# Altium PCB roach2.PcbDoc (part 13 of 39)
Units mil, origin at the board's own origin, x right, y up, seen from the top; angles counter-clockwise.
Board outline 12007.87 x 9606.3 mil, 16 copper layers (L1_TOP, L2_G, L3_S, L4_G, L5_S, L6_P, L7_G, L8_R, L9_R, L10_P, L11_P, L12_S, L13_P, L14_S, L15_G, L16_BOT), stack 81.651 mil thick; 1608 components, 1934 nets, 9335 pads, 6759 vias.
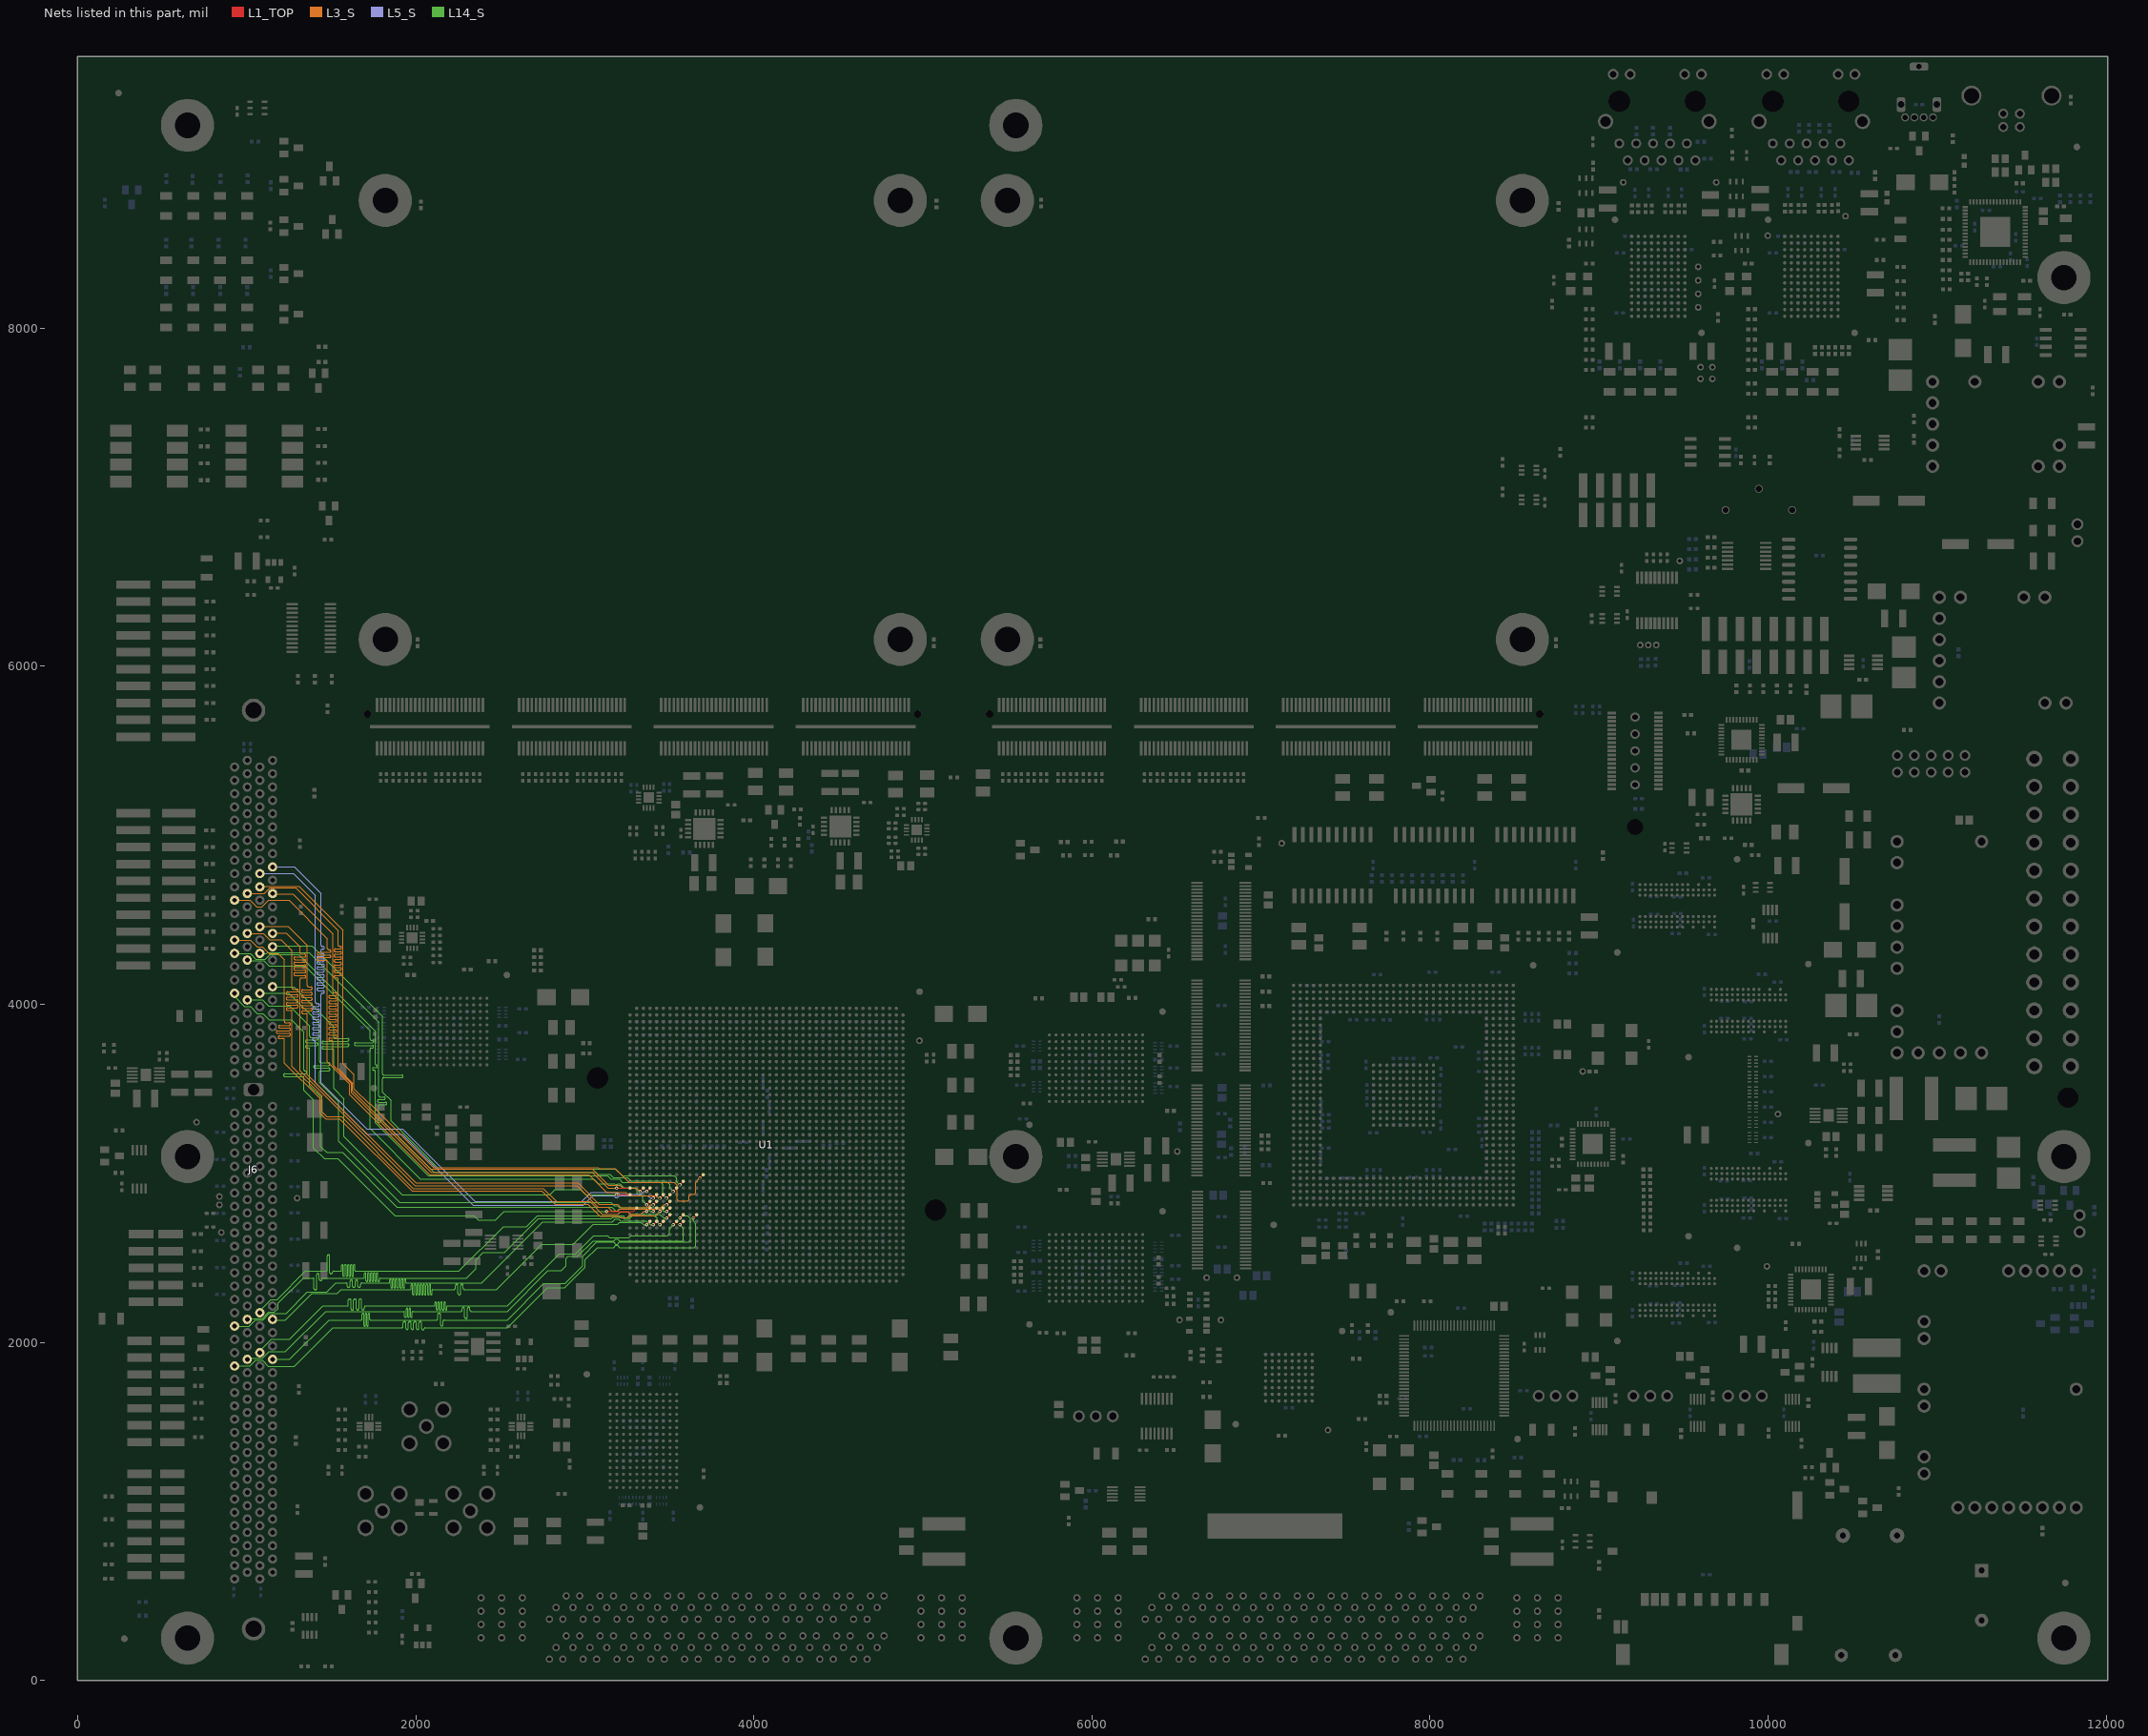
[diagram p27: the nets of this part, all layers, seen from the top]

## Via types
v1: diameter 19.4, hole 10, L1_TOP to L16_BOT, tented both sides, 3354 vias
v2: diameter 19.4, hole 10, L1_TOP to L16_BOT, 1884 vias
v3: diameter 19.4, hole 10, L1_TOP to L16_BOT, tented top, 410 vias
v4: diameter 18.6, hole 10, L1_TOP to L16_BOT, tented both sides, 311 vias
v5: diameter 59.06, hole 39.37, L1_TOP to L16_BOT, 217 vias
v6: diameter 19, hole 10, L1_TOP to L16_BOT, 198 vias
v7: diameter 19.4, hole 10.04, L1_TOP to L16_BOT, 125 vias
v8: diameter 19.4, hole 10, L1_TOP to L16_BOT, tented bottom, 80 vias
v9: diameter 25.98, hole 12.99, L1_TOP to L16_BOT, tented top, 59 vias
v10: diameter 20, hole 10, L1_TOP to L16_BOT, 52 vias
v11: diameter 59.06, hole 39.37, L1_TOP to L16_BOT, tented top, 44 vias
v12: diameter 20, hole 10, L1_TOP to L16_BOT, tented top, 16 vias
v13: diameter 19, hole 10, L1_TOP to L16_BOT, tented top, 5 vias
v14: diameter 50, hole 28, L1_TOP to L16_BOT, 4 vias

## Nets (pads, with @x,y where several pads share a name; then routed paths per layer and width w, separated by ;. In a path a pad name is that pad's centre, name@x,y a point inside that pad or via, vN(x,y) a via of type N, cw(c..) or ccw(c..) an arc to the next point about the centre after c; other vN are vias at no path point) (continued)
DDR3.DQ14: J6.137 U1.AW28 | length 4328
  L1_TOP w5: v1(3365.24,2892.16) U1.AW28@3384.93,2911.85
  L5_S w3.8: J6.137@1152.6,4813.07 1152.68,4812.99 1282.99,4812.99 1438.99,4656.99 1438.99,4350 ccw(c1446.8,4350) 1446.8,4342.19 1451.28,4342.19 cw(c1451.28,4334.39) 1459.09,4334.39 cw(c1451.28,4334.39) 1451.28,4326.58 1446.8,4326.58 ccw(c1446.8,4318.78) 1438.99,4318.78 1438.99,4310.97 1438.99,4308 ccw(c1446.8,4308) 1446.8,4300.19 1451.28,4300.19 cw(c1451.28,4292.39) 1459.09,4292.39 cw(c1451.28,4292.39) 1451.28,4284.58 1438.99,4284.58 1422.9,4284.58 ccw(c1422.9,4276.78) 1415.1,4276.78 ccw(c1422.9,4276.78) 1422.9,4268.97 1438.99,4268.97 1451.28,4268.97 cw(c1451.28,4261.17) 1459.09,4261.17 cw(c1451.28,4261.17) 1451.28,4253.36 1438.99,4253.36 1422.9,4253.36 ccw(c1422.9,4245.56) 1415.1,4245.56 ccw(c1422.9,4245.56) 1422.9,4237.75 1438.99,4237.75 1451.28,4237.75 cw(c1451.28,4229.94) 1459.09,4229.94 cw(c1451.28,4229.94) 1451.28,4222.14 1438.99,4222.14 1422.9,4222.14 ccw(c1422.9,4214.33) 1415.1,4214.33 ccw(c1422.9,4214.33) 1422.9,4206.53 1438.99,4206.53 1451.28,4206.53 cw(c1451.28,4198.72) 1459.09,4198.72 cw(c1451.28,4198.72) 1451.28,4190.92 1438.99,4190.92 1422.9,4190.92 ccw(c1422.9,4183.11) 1415.1,4183.11 ccw(c1422.9,4183.11) 1422.9,4175.31 1438.99,4175.31 1451.28,4175.31 cw(c1451.28,4167.5) 1459.09,4167.5 cw(c1451.28,4167.5) 1451.28,4159.7 1438.99,4159.7 1422.9,4159.7 ccw(c1422.9,4151.89) 1415.1,4151.89 ccw(c1422.9,4151.89) 1422.9,4144.08 1438.99,4144.08 1451.28,4144.08 cw(c1451.28,4136.28) 1459.09,4136.28 cw(c1451.28,4136.28) 1451.28,4128.47 1438.99,4128.47 1422.9,4128.47 ccw(c1422.9,4120.67) 1415.1,4120.67 ccw(c1422.9,4120.67) 1422.9,4112.86 1438.99,4112.86 1451.28,4112.86 cw(c1451.28,4105.06) 1459.09,4105.06 cw(c1451.28,4105.06) 1451.28,4097.25 1438.99,4097.25 1422.9,4097.25 ccw(c1422.9,4089.45) 1415.1,4089.45 ccw(c1422.9,4089.45) 1422.9,4081.64 1438.99,4081.64 1451.28,4081.64 cw(c1451.28,4073.83) 1459.09,4073.83 cw(c1451.28,4073.83) 1451.28,4066.03 1446.8,4066.03 ccw(c1446.8,4058.22) 1438.99,4058.22 1438.99,3758 1438.99,3534.99 1710.99,3262.99 1920.99,3262.99 2351.42,2832.56 2982.56,2832.56 3038.08,2888.08 3194.54,2888.08 3206.06,2876.56 3332.33,2876.56 3347.93,2892.16 v1(3365.24,2892.16)
DDR3.DQ15: J6.138 U1.AV29 | length 4328
  L1_TOP w5: v1(3404.61,2852.79) U1.AV29@3424.3,2872.48
  L5_S w3.8: J6.138@1077.8,4773.7 1276.28,4773.7 1406.99,4642.99 1406.99,4012 ccw(c1414.8,4012) 1414.8,4004.19 1422.62,4004.19 cw(c1422.62,3996.39) 1430.42,3996.39 cw(c1422.62,3996.39) 1422.62,3988.58 1406.99,3988.58 1397.37,3988.58 ccw(c1397.37,3980.78) 1389.56,3980.78 ccw(c1397.37,3980.78) 1397.37,3972.97 1406.99,3972.97 1422.62,3972.97 cw(c1422.62,3965.17) 1430.42,3965.17 cw(c1422.62,3965.17) 1422.62,3957.36 1406.99,3957.36 1397.37,3957.36 ccw(c1397.37,3949.56) 1389.56,3949.56 ccw(c1397.37,3949.56) 1397.37,3941.75 1406.99,3941.75 1422.62,3941.75 cw(c1422.62,3933.95) 1430.42,3933.95 cw(c1422.62,3933.95) 1422.62,3926.14 1406.99,3926.14 1397.37,3926.14 ccw(c1397.37,3918.33) 1389.56,3918.33 ccw(c1397.37,3918.33) 1397.37,3910.53 1406.99,3910.53 1422.62,3910.53 cw(c1422.62,3902.72) 1430.42,3902.72 cw(c1422.62,3902.72) 1422.62,3894.92 1406.99,3894.92 1397.37,3894.92 ccw(c1397.37,3887.11) 1389.56,3887.11 ccw(c1397.37,3887.11) 1397.37,3879.31 1406.99,3879.31 1422.62,3879.31 cw(c1422.62,3871.5) 1430.42,3871.5 cw(c1422.62,3871.5) 1422.62,3863.7 1406.99,3863.7 1397.37,3863.7 ccw(c1397.37,3855.89) 1389.56,3855.89 ccw(c1397.37,3855.89) 1397.37,3848.08 1406.99,3848.08 1422.62,3848.08 cw(c1422.62,3840.28) 1430.42,3840.28 cw(c1422.62,3840.28) 1422.62,3832.47 1406.99,3832.47 1397.37,3832.47 ccw(c1397.37,3824.67) 1389.56,3824.67 ccw(c1397.37,3824.67) 1397.37,3816.86 1406.99,3816.86 1422.62,3816.86 cw(c1422.62,3809.06) 1430.42,3809.06 cw(c1422.62,3809.06) 1422.62,3801.25 1406.99,3801.25 1397.37,3801.25 ccw(c1397.37,3793.45) 1389.56,3793.45 ccw(c1397.37,3793.45) 1397.37,3785.64 1399.19,3785.64 cw(c1399.19,3777.83) 1406.99,3777.83 1406.99,3620 1406.99,3534.99 1710.99,3230.99 1918.99,3230.99 2338.99,2810.99 2990.99,2810.99 3048.39,2868.39 3170.1,2868.39 3181.62,2856.88 3194.54,2856.88 3206.05,2868.39 3371.7,2868.39 3387.3,2852.79 v1(3404.61,2852.79)
DDR3.DQ16: J6.21 U1.AY28 | length 4060
  L1_TOP w5: v1(3325.87,2892.16) U1.AY28@3345.56,2911.85
  L3_S w3.8: J6.21@1002.99,4655.59 1105.28,4655.59 1138.74,4689.05 1288.93,4689.05 1540.99,4436.99 1540.99,4351 ccw(c1548.8,4351) 1548.8,4343.19 1553.15,4343.19 cw(c1553.15,4335.39) 1560.95,4335.39 cw(c1553.15,4335.39) 1553.15,4327.58 1540.99,4327.58 1524.84,4327.58 ccw(c1524.84,4319.78) 1517.03,4319.78 ccw(c1524.84,4319.78) 1524.84,4311.97 1540.99,4311.97 1553.15,4311.97 cw(c1553.15,4304.17) 1560.95,4304.17 cw(c1553.15,4304.17) 1553.15,4296.36 1540.99,4296.36 1524.84,4296.36 ccw(c1524.84,4288.56) 1517.03,4288.56 ccw(c1524.84,4288.56) 1524.84,4280.75 1540.99,4280.75 1553.15,4280.75 cw(c1553.15,4272.94) 1560.95,4272.94 cw(c1553.15,4272.94) 1553.15,4265.14 1540.99,4265.14 1524.84,4265.14 ccw(c1524.84,4257.33) 1517.03,4257.33 ccw(c1524.84,4257.33) 1524.84,4249.53 1540.99,4249.53 1553.15,4249.53 cw(c1553.15,4241.72) 1560.95,4241.72 cw(c1553.15,4241.72) 1553.15,4233.92 1540.99,4233.92 1524.84,4233.92 ccw(c1524.84,4226.11) 1517.03,4226.11 ccw(c1524.84,4226.11) 1524.84,4218.31 1540.99,4218.31 1553.15,4218.31 cw(c1553.15,4210.5) 1560.95,4210.5 cw(c1553.15,4210.5) 1553.15,4202.7 1540.99,4202.7 1524.84,4202.7 ccw(c1524.84,4194.89) 1517.03,4194.89 ccw(c1524.84,4194.89) 1524.84,4187.08 1540.99,4187.08 1553.15,4187.08 cw(c1553.15,4179.28) 1560.95,4179.28 cw(c1553.15,4179.28) 1553.15,4171.47 1540.99,4171.47 1524.83,4171.47 ccw(c1524.83,4163.67) 1517.03,4163.67 ccw(c1524.83,4163.67) 1524.83,4155.86 1533.19,4155.86 cw(c1533.19,4148.06) 1540.99,4148.06 1540.99,4074 1540.99,4068 ; 1540.99,4062.99 1540.99,4068 ; v1(3325.87,2892.16) 3305.04,2912.99 3224.99,2912.99 3206.99,2930.99 3138.99,2930.99 3044.99,3024.99 2088.99,3024.99 1626.79,3487.19 1626.79,3534.22 1540.99,3620.02 1540.99,4068
DDR3.DQ17: J6.22 U1.AU29 | length 4060
  L1_TOP w5: v1(3443.98,2852.79) U1.AU29@3463.67,2872.48
  L3_S w3.8: J6.22@928.19,4616.22 928.96,4616.99 1018.99,4616.99 1058.99,4576.99 1090.99,4576.99 1128.99,4614.99 1250.99,4614.99 1476.99,4388.99 1476.99,4331 ccw(c1484.8,4331) 1484.8,4323.19 1489.75,4323.19 cw(c1489.75,4315.39) 1497.56,4315.39 cw(c1489.75,4315.39) 1489.75,4307.58 1476.99,4307.58 1424.23,4307.58 ccw(c1424.23,4299.78) 1416.42,4299.78 ccw(c1424.23,4299.78) 1424.23,4291.97 1476.99,4291.97 1489.75,4291.97 cw(c1489.75,4284.17) 1497.56,4284.17 cw(c1489.75,4284.17) 1489.75,4276.36 1476.99,4276.36 1424.23,4276.36 ccw(c1424.23,4268.56) 1416.42,4268.56 ccw(c1424.23,4268.56) 1424.23,4260.75 1469.19,4260.75 cw(c1469.19,4252.94) 1476.99,4252.94 1476.99,4036.58 1476.99,3660.99 1608.99,3528.99 1608.99,3466.99 2082.99,2992.99 3024.99,2992.99 3129.9,2888.08 3240.93,2888.08 3260.62,2868.39 3420.21,2868.39 3435.81,2852.79 v1(3443.98,2852.79)
DDR3.DQ18: J6.27 U1.AW31 | length 4060
  L1_TOP w5: v1(3365.24,2774.05) U1.AW31@3384.93,2793.74
  L3_S w3.8: J6.27@1002.99,4419.37 1098.61,4419.37 1134.99,4382.99 1202.99,4382.99 1268.99,4316.99 1268.99,4097 ccw(c1276.8,4097) 1276.8,4089.19 1296.69,4089.19 cw(c1296.69,4081.39) 1304.49,4081.39 cw(c1296.69,4081.39) 1296.69,4073.58 1268.99,4073.58 1241.3,4073.58 ccw(c1241.3,4065.78) 1233.49,4065.78 ccw(c1241.3,4065.78) 1241.3,4057.97 1268.99,4057.97 1296.69,4057.97 cw(c1296.69,4050.17) 1304.49,4050.17 cw(c1296.69,4050.17) 1296.69,4042.36 1268.99,4042.36 1241.3,4042.36 ccw(c1241.3,4034.56) 1233.49,4034.56 ccw(c1241.3,4034.56) 1241.3,4026.75 1268.99,4026.75 1296.69,4026.75 cw(c1296.69,4018.95) 1304.49,4018.95 cw(c1296.69,4018.95) 1296.69,4011.14 1268.99,4011.14 1241.3,4011.14 ccw(c1241.3,4003.33) 1233.49,4003.33 ccw(c1241.3,4003.33) 1241.3,3995.53 1268.99,3995.53 1296.69,3995.53 cw(c1296.69,3987.72) 1304.49,3987.72 cw(c1296.69,3987.72) 1296.69,3979.92 1268.99,3979.92 1241.3,3979.92 ccw(c1241.3,3972.11) 1233.49,3972.11 ccw(c1241.3,3972.11) 1241.3,3964.31 1261.19,3964.31 cw(c1261.19,3956.5) 1268.99,3956.5 1268.99,3632.99 1444.99,3456.99 1444.99,3362.99 1472.99,3334.99 1560.99,3334.99 1984.99,2910.99 2754.99,2910.99 2833.42,2832.56 3029.42,2832.56 3103.53,2758.45 3196.45,2758.45 3210.99,2772.99 3254.99,2772.99 3269.53,2758.45 3332.33,2758.45 3347.93,2774.05 v1(3365.24,2774.05)
DDR3.DQ19: J6.28 U1.AU31 | length 4060
  L1_TOP w5: v1(3443.98,2774.05) U1.AU31@3463.67,2793.74
  L3_S w3.8: J6.28@928.19,4380 929.2,4378.99 1022.99,4378.99 1062.99,4338.99 1092.99,4338.99 1130.99,4300.99 1186.99,4300.99 1222.99,4264.99 1222.99,3899 ccw(c1230.8,3899) 1230.8,3891.19 1251.06,3891.19 cw(c1251.06,3883.39) 1258.86,3883.39 cw(c1251.06,3883.39) 1251.06,3875.58 1222.99,3875.58 1196.19,3875.58 ccw(c1196.19,3867.78) 1188.38,3867.78 ccw(c1196.19,3867.78) 1196.19,3859.97 1222.99,3859.97 1251.06,3859.97 cw(c1251.06,3852.17) 1258.86,3852.17 cw(c1251.06,3852.17) 1251.06,3844.36 1222.99,3844.36 1181.42,3844.36 ccw(c1181.42,3836.56) 1173.62,3836.56 ccw(c1181.42,3836.56) 1181.42,3828.75 1222.99,3828.75 1251.06,3828.75 cw(c1251.06,3820.95) 1258.86,3820.95 cw(c1251.06,3820.95) 1251.06,3813.14 1222.99,3813.14 1193.01,3813.14 ccw(c1193.01,3805.33) 1185.2,3805.33 ccw(c1193.01,3805.33) 1193.01,3797.53 1215.19,3797.53 cw(c1215.19,3789.72) 1222.99,3789.72 1222.99,3652.99 1432.99,3442.99 1432.99,3354.99 1466.99,3320.99 1550.99,3320.99 1976.99,2894.99 2744.99,2894.99 2822.99,2816.99 3018.99,2816.99 3088.99,2746.99 3198.99,2746.99 3207.21,2738.77 3249.6,2738.77 3261.11,2750.28 3420.21,2750.28 v1(3443.98,2774.05)
DDR3.DQ20: J6.140 U1.AL26 | length 4067.9
  L1_TOP w5: v1(3680.2,2970.9) U1.AL26@3699.89,2990.59
  L3_S w3.8: J6.140@1077.8,4694.96 1081.83,4698.99 1308.99,4698.99 1568.99,4438.99 1568.99,3648.99 1634.59,3583.39 1634.59,3499.7 1723.3,3410.99 1728.99,3410.99 2104.99,3034.99 3076.99,3034.99 3082.99,3028.99 3178.99,3028.99 3260.85,2947.13 3529.18,2947.13 3538.32,2938 3538.32,2937.66 3546.49,2929.49 3546.49,2846.33 3555.63,2837.19 3607.93,2837.19 3617.06,2846.33 3617.06,2868.06 3625.56,2876.56 3647.3,2876.56 3656.43,2885.7 3656.43,2947.13 v1(3680.2,2970.9)
DDR3.DQ21: J6.141 U1.BB28 | length 4060
  L1_TOP w5: v2(3188.08,2911.85) U1.BB28@3266.82,2911.85
  L3_S w3.8: J6.141@1152.6,4655.59 1155.2,4652.99 1272.99,4652.99 1508.99,4416.99 1508.99,4281.19 1508.99,4075.61 ccw(c1516.8,4075.61) 1516.8,4067.8 1525.2,4067.8 cw(c1525.2,4060) 1533.01,4060 cw(c1525.2,4060) 1525.2,4052.19 1508.99,4052.19 1492.78,4052.19 ccw(c1492.78,4044.39) 1484.98,4044.39 ccw(c1492.78,4044.39) 1492.78,4036.58 1508.99,4036.58 1525.2,4036.58 cw(c1525.2,4028.78) 1533.01,4028.78 cw(c1525.2,4028.78) 1525.2,4020.97 1508.99,4020.97 1492.78,4020.97 ccw(c1492.78,4013.16) 1484.98,4013.16 ccw(c1492.78,4013.16) 1492.78,4005.36 1508.99,4005.36 1525.2,4005.36 cw(c1525.2,3997.55) 1533.01,3997.55 cw(c1525.2,3997.55) 1525.2,3989.75 1508.99,3989.75 1492.78,3989.75 ccw(c1492.78,3981.94) 1484.98,3981.94 ccw(c1492.78,3981.94) 1492.78,3974.14 1508.99,3974.14 1525.2,3974.14 cw(c1525.2,3966.33) 1533.01,3966.33 cw(c1525.2,3966.33) 1525.2,3958.53 1508.99,3958.53 1492.78,3958.53 ccw(c1492.78,3950.72) 1484.98,3950.72 ccw(c1492.78,3950.72) 1492.78,3942.92 1508.99,3942.92 1525.2,3942.92 cw(c1525.2,3935.11) 1533.01,3935.11 cw(c1525.2,3935.11) 1525.2,3927.3 1508.99,3927.3 1492.78,3927.3 ccw(c1492.78,3919.5) 1484.98,3919.5 ccw(c1492.78,3919.5) 1492.78,3911.69 1508.99,3911.69 1525.2,3911.69 cw(c1525.2,3903.89) 1533.01,3903.89 cw(c1525.2,3903.89) 1525.2,3896.08 1508.99,3896.08 1492.78,3896.08 ccw(c1492.78,3888.28) 1484.98,3888.28 ccw(c1492.78,3888.28) 1492.78,3880.47 1508.99,3880.47 1525.2,3880.47 cw(c1525.2,3872.67) 1533.01,3872.67 cw(c1525.2,3872.67) 1525.2,3864.86 1508.99,3864.86 1492.78,3864.86 ccw(c1492.78,3857.05) 1484.98,3857.05 ccw(c1492.78,3857.05) 1492.78,3849.25 1508.99,3849.25 1525.2,3849.25 cw(c1525.2,3841.44) 1533.01,3841.44 cw(c1525.2,3841.44) 1525.2,3833.64 1508.99,3833.64 1492.78,3833.64 ccw(c1492.78,3825.83) 1484.98,3825.83 ccw(c1492.78,3825.83) 1492.78,3818.03 1508.99,3818.03 1525.2,3818.03 cw(c1525.2,3810.22) 1533.01,3810.22 cw(c1525.2,3810.22) 1525.2,3802.42 1508.99,3802.42 1492.78,3802.42 ccw(c1492.78,3794.61) 1484.98,3794.61 ccw(c1492.78,3794.61) 1492.78,3786.81 1501.19,3786.81 cw(c1501.19,3779) 1508.99,3779 1508.99,3640.99 1618.99,3530.99 1618.99,3476.99 2090.99,3004.99 3044.99,3004.99 3138.13,2911.85 v2(3188.08,2911.85)
DDR3.DQ22: J6.146 U1.AV30 | length 4060
  L1_TOP w5: v1(3404.61,2813.42) U1.AV30@3424.3,2833.11
  L3_S w3.8: J6.146@1077.8,4458.74 1080.05,4460.99 1244.99,4460.99 1358.99,4346.99 1358.99,4110 ccw(c1366.8,4110) 1366.8,4102.19 1380.11,4102.19 cw(c1380.11,4094.39) 1387.91,4094.39 cw(c1380.11,4094.39) 1380.11,4086.58 1358.99,4086.58 1332.08,4086.58 ccw(c1332.08,4078.78) 1324.27,4078.78 ccw(c1332.08,4078.78) 1332.08,4070.97 1358.99,4070.97 1380.11,4070.97 cw(c1380.11,4063.17) 1387.91,4063.17 cw(c1380.11,4063.17) 1380.11,4055.36 1358.99,4055.36 1332.08,4055.36 ccw(c1332.08,4047.56) 1324.27,4047.56 ccw(c1332.08,4047.56) 1332.08,4039.75 1358.99,4039.75 1380.11,4039.75 cw(c1380.11,4031.95) 1387.91,4031.95 cw(c1380.11,4031.95) 1380.11,4024.14 1358.99,4024.14 1332.08,4024.14 ccw(c1332.08,4016.33) 1324.27,4016.33 ccw(c1332.08,4016.33) 1332.08,4008.53 1358.99,4008.53 1380.11,4008.53 cw(c1380.11,4000.72) 1387.91,4000.72 cw(c1380.11,4000.72) 1380.11,3992.92 1358.99,3992.92 1332.08,3992.92 ccw(c1332.08,3985.11) 1324.27,3985.11 ccw(c1332.08,3985.11) 1332.08,3977.31 1358.99,3977.31 1380.11,3977.31 cw(c1380.11,3969.5) 1387.91,3969.5 cw(c1380.11,3969.5) 1380.11,3961.7 1358.99,3961.7 1332.08,3961.7 ccw(c1332.08,3953.89) 1324.27,3953.89 ccw(c1332.08,3953.89) 1332.08,3946.08 1351.19,3946.08 cw(c1351.19,3938.28) 1358.99,3938.28 1358.99,3584.99 2000.99,2942.99 2958.99,2942.99 3084.99,2816.99 3194.99,2816.99 3214.16,2797.82 3371.7,2797.82 3387.3,2813.42 v1(3404.61,2813.42)
DDR3.DQ23: J6.147 U1.AT30 | length 4060
  L1_TOP w5: v1(3483.35,2813.42) U1.AT30@3503.04,2833.11
  L3_S w3.8: J6.147@1152.6,4419.37 1154.22,4420.99 1232.99,4420.99 1314.99,4338.99 1314.99,4304 ccw(c1322.8,4304) 1322.8,4296.19 1342.07,4296.19 cw(c1342.07,4288.39) 1349.87,4288.39 cw(c1342.07,4288.39) 1342.07,4280.58 1314.99,4280.58 1285.92,4280.58 ccw(c1285.92,4272.78) 1278.11,4272.78 ccw(c1285.92,4272.78) 1285.92,4264.97 1314.99,4264.97 1342.07,4264.97 cw(c1342.07,4257.17) 1349.87,4257.17 cw(c1342.07,4257.17) 1342.07,4249.36 1314.99,4249.36 1285.92,4249.36 ccw(c1285.92,4241.56) 1278.11,4241.56 ccw(c1285.92,4241.56) 1285.92,4233.75 1314.99,4233.75 1342.07,4233.75 cw(c1342.07,4225.94) 1349.87,4225.94 cw(c1342.07,4225.94) 1342.07,4218.14 1314.99,4218.14 1285.92,4218.14 ccw(c1285.92,4210.33) 1278.11,4210.33 ccw(c1285.92,4210.33) 1285.92,4202.53 1314.99,4202.53 1342.07,4202.53 cw(c1342.07,4194.72) 1349.87,4194.72 cw(c1342.07,4194.72) 1342.07,4186.92 1314.99,4186.92 1285.92,4186.92 ccw(c1285.92,4179.11) 1278.11,4179.11 ccw(c1285.92,4179.11) 1285.92,4171.31 1314.99,4171.31 1342.07,4171.31 cw(c1342.07,4163.5) 1349.87,4163.5 cw(c1342.07,4163.5) 1342.07,4155.7 1322.8,4155.7 ccw(c1322.8,4147.89) 1314.99,4147.89 1314.99,3752 1314.99,3606.99 1994.99,2926.99 2952.99,2926.99 3078.99,2800.99 3136.99,2800.99 3159.84,2778.14 3194.54,2778.14 3206.05,2789.65 3364.99,2789.65 3365.36,2790.02 3442.64,2790.02 3466.04,2813.42 v1(3483.35,2813.42)
DDR3.DQ24: J6.30 U1.AT29 | length 3600
  L1_TOP w5: v1(3483.35,2852.79) U1.AT29@3503.04,2872.48
  L14_S w3.8: J6.30@928.19,4301.26 928.46,4300.99 1020.99,4300.99 1054.18,4267.8 1111.19,4267.8 1138.74,4295.35 1306.63,4295.35 1760.99,3840.99 1760.99,3649 1760.99,3645.59 ccw(c1765.39,3645.59) 1765.39,3641.19 cw(c1765.39,3633.39) 1773.19,3633.39 cw(c1765.39,3633.39) 1765.39,3625.58 1760.99,3625.58 1751.32,3625.58 ccw(c1751.32,3617.78) 1743.52,3617.78 ccw(c1751.32,3617.78) 1751.32,3609.97 1753.19,3609.97 cw(c1753.19,3602.17) 1760.99,3602.17 1760.99,3379 1760.99,3298.99 2073.48,2986.5 3135.49,2986.5 3155.17,2966.82 3203.68,2966.82 3223.36,2947.13 3450.44,2947.13 3462.99,2934.59 3462.99,2873.15 v1(3483.35,2852.79)
DDR3.DQ25: J6.31 U1.AW30 | length 3600
  L1_TOP w5: v1(3365.24,2813.42) U1.AW30@3384.93,2833.11
  L14_S w3.8: J6.31@1002.99,4261.89 1005.89,4258.99 1100.99,4258.99 1132.99,4226.99 1344.99,4226.99 1728.99,3842.99 1728.99,3796 ccw(c1736.8,3796) 1736.8,3788.19 1743.34,3788.19 cw(c1743.34,3780.39) 1751.15,3780.39 cw(c1743.34,3780.39) 1743.34,3772.58 1728.99,3772.58 1644.64,3772.58 ccw(c1644.64,3764.78) 1636.84,3764.78 ccw(c1644.64,3764.78) 1644.64,3756.97 1728.99,3756.97 1743.34,3756.97 cw(c1743.34,3749.17) 1751.15,3749.17 cw(c1743.34,3749.17) 1743.34,3741.36 1736.8,3741.36 ccw(c1736.8,3733.56) 1728.99,3733.56 1728.99,3594 1728.99,3264.99 2026.99,2966.99 3052.99,2966.99 3080.37,2939.62 3177.62,2939.62 3181.62,2935.62 3194.54,2935.62 3195.91,2936.99 3208.99,2936.99 3230.05,2915.93 3286.99,2915.93 3287.36,2915.56 3296.19,2915.56 3310.27,2901.49 3310.27,2885.7 3319.41,2876.56 3327.42,2876.56 3342.99,2860.99 3342.99,2835.67 v1(3365.24,2813.42)
DDR3.DQ26: J6.36 U1.BA31 | length 3600
  L1_TOP w5: v2(3129.02,2774.05) 3286.5,2774.05 U1.BA31@3306.19,2793.74
  L14_S w3.8: J6.36@928.19,4065.04 928.19,4045.8 986.99,3986.99 1020.99,3986.99 1062.99,3944.99 1096.99,3944.99 1132.99,3908.99 1264.99,3908.99 1338.99,3834.99 1338.99,3613 ccw(c1346.8,3613) 1346.8,3605.19 cw(c1346.8,3597.39) 1354.6,3597.39 cw(c1346.8,3597.39) 1346.8,3589.58 1338.99,3589.58 1225.12,3589.58 ccw(c1225.12,3581.78) 1217.32,3581.78 ccw(c1225.12,3581.78) 1225.12,3573.97 1331.19,3573.97 cw(c1331.19,3566.17) 1338.99,3566.17 1338.99,3490.99 1394.99,3434.99 1394.99,3150.99 1458.99,3086.99 1538.99,3086.99 1676.99,2948.99 ; 1674.99,2950.99 1676.99,2948.99 ; v2(3129.02,2774.05) 2522.05,2774.05 2470.56,2722.56 2371.42,2722.56 2344.99,2748.99 1876.99,2748.99 1676.99,2948.99
DDR3.DQ27: J6.37 U1.AV31 | length 3600
  L1_TOP w5: v1(3404.61,2774.05) U1.AV31@3424.3,2793.74
  L14_S w3.8: J6.37@1002.99,4025.67 1092.31,4025.67 1128.99,3988.99 1254.99,3988.99 1372.99,3870.99 1372.99,3812 ccw(c1380.8,3812) 1380.8,3804.19 1414.25,3804.19 cw(c1414.25,3796.39) 1422.05,3796.39 cw(c1414.25,3796.39) 1414.25,3788.58 1372.99,3788.58 1355.74,3788.58 ccw(c1355.74,3780.78) 1347.93,3780.78 ccw(c1355.74,3780.78) 1355.74,3772.97 1372.99,3772.97 1414.25,3772.97 cw(c1414.25,3765.17) 1422.05,3765.17 cw(c1414.25,3765.17) 1414.25,3757.36 1372.99,3757.36 1355.74,3757.36 ccw(c1355.74,3749.56) 1347.93,3749.56 ccw(c1355.74,3749.56) 1355.74,3741.75 1365.19,3741.75 cw(c1365.19,3733.95) 1372.99,3733.95 1372.99,3579 1372.99,3516.99 1436.99,3452.99 1436.99,3158.99 1472.99,3122.99 1566.99,3122.99 1888.99,2800.99 3158.76,2800.99 3181.62,2778.14 3194.54,2778.14 3206.05,2789.65 3371.7,2789.65 3387.3,2774.05 v1(3404.61,2774.05)